# Altium PCB LimeSDR-USB_1v4s.PcbDoc (part 6 of 10)
Units mm, origin at the board's own origin, x right, y up, seen from the top; angles counter-clockwise.
Board outline 100 x 60 mm, 12 copper layers (Top, L2, L3, L4, L5, L6, L7, L8, L9, L10, L11, Bottom), stack 1.58 mm thick; 858 components, 627 nets, 4058 pads, 2110 vias.
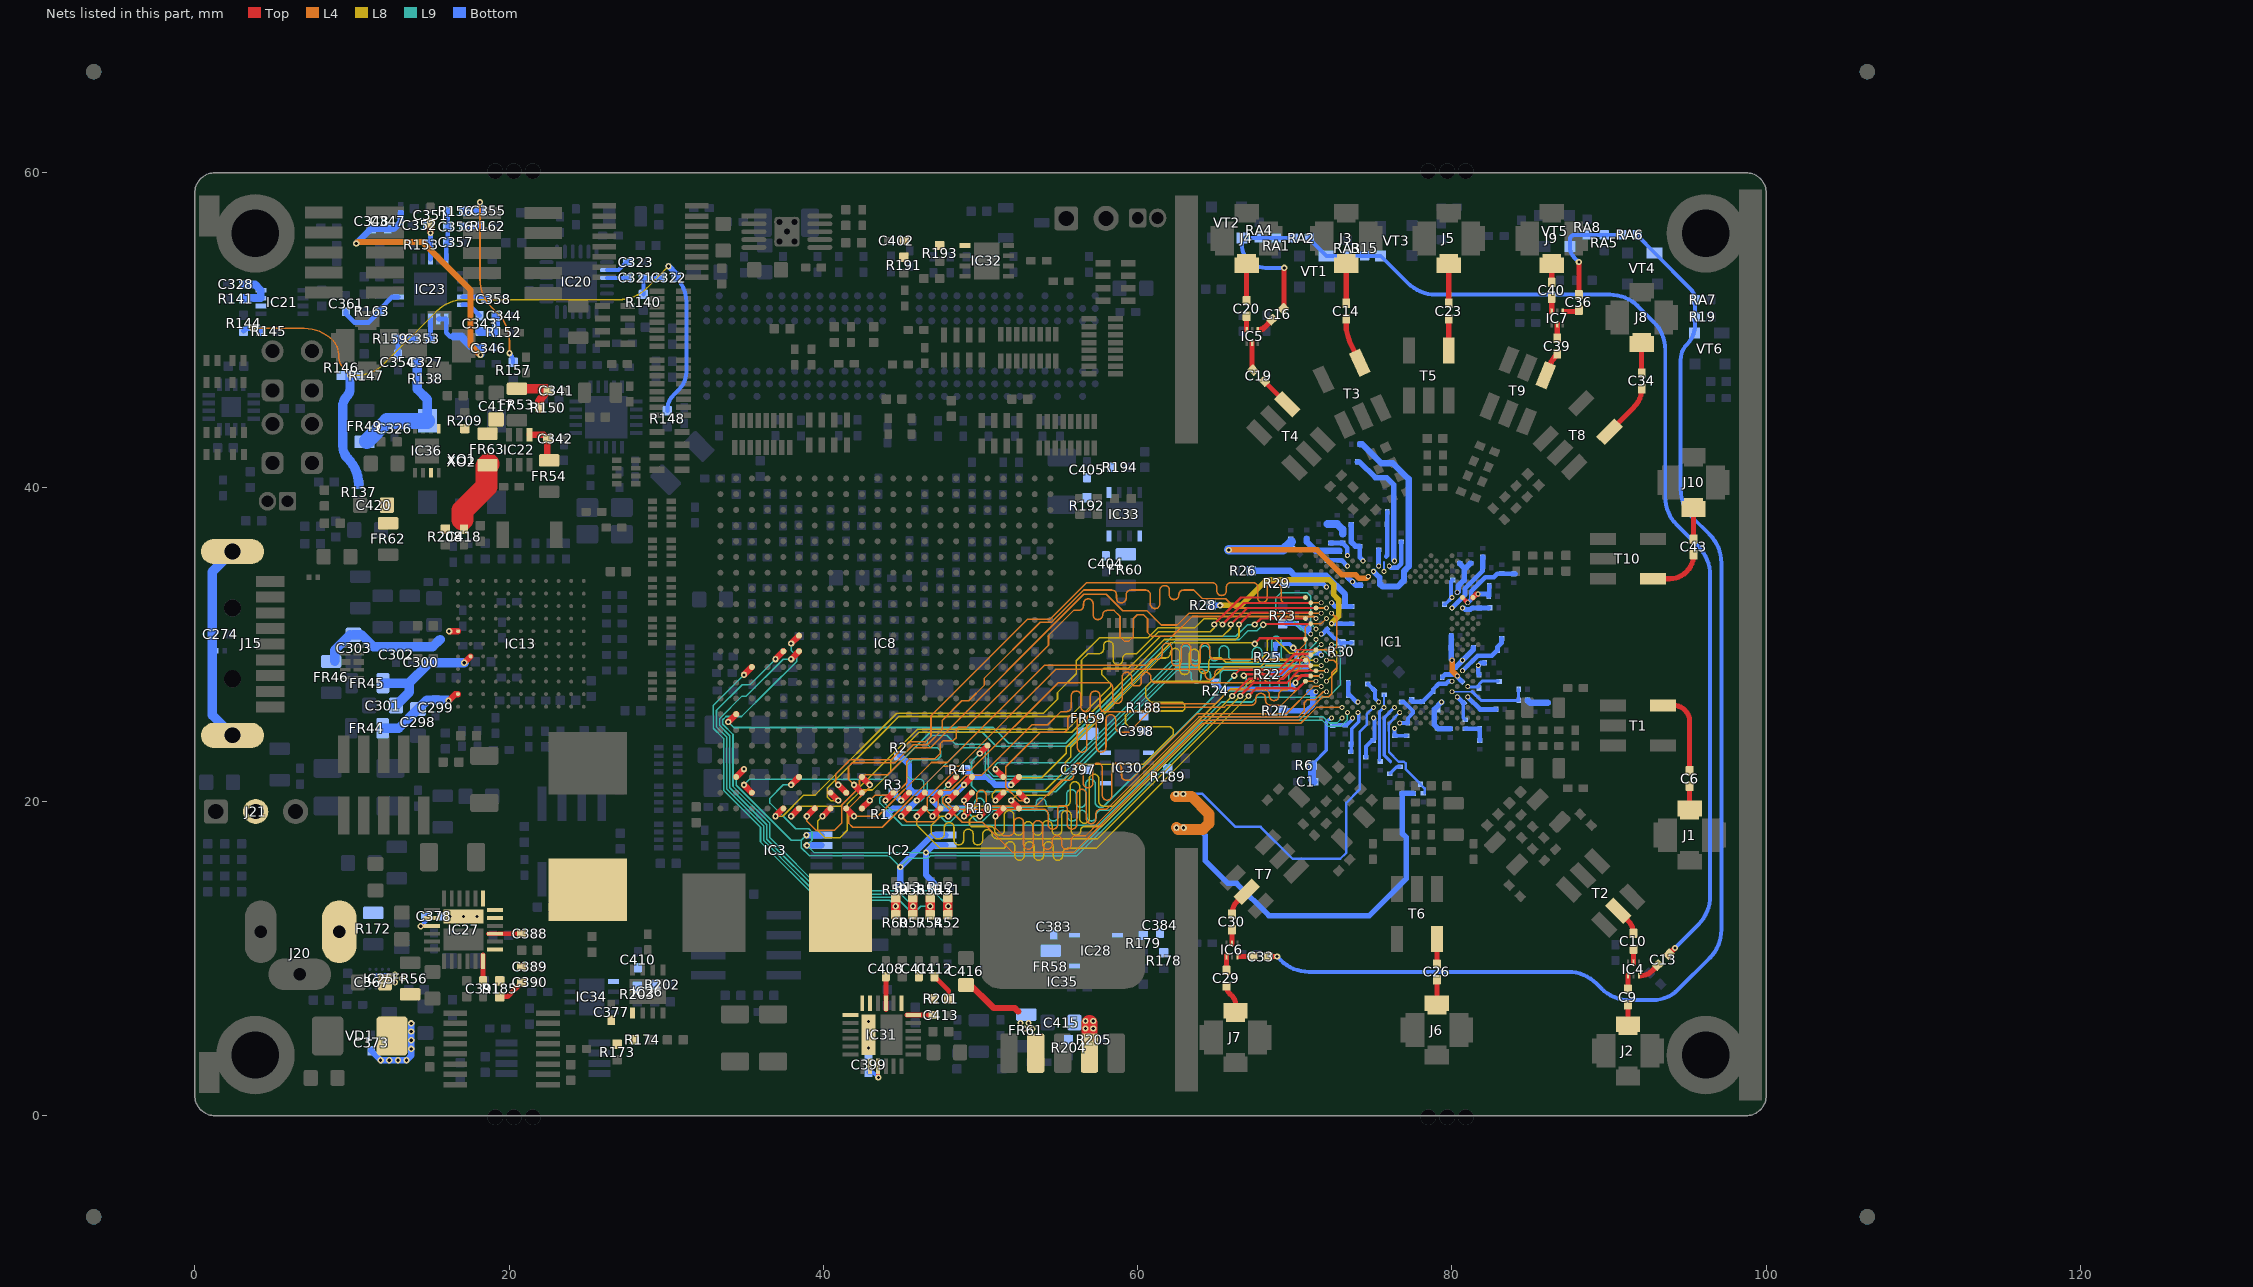
[diagram p16: the nets of this part, all layers, seen from the top]

## Via types
v1: diameter 0.4, hole 0.2, Top to Bottom, tented both sides, 1293 vias
v2: diameter 0.4, hole 0.2, Top to Bottom, tented top, 427 vias
v3: diameter 0.4, hole 0.2, Top to Bottom, 281 vias
v4: diameter 0.31, hole 0.2, Top to Bottom, tented top, 89 vias
v5: diameter 0.5, hole 0.2, Top to Bottom, tented both sides, 20 vias

## Nets (pads, with @x,y where several pads share a name; then routed paths per layer and width w, separated by ;. In a path a pad name is that pad's centre, name@x,y a point inside that pad or via, vN(x,y) a via of type N, cw(c..) or ccw(c..) an arc to the next point about the centre after c; other vN are vias at no path point) (continued)
LMS_DIQ1_D2: IC1.AF34 IC8.B15 | length 41.6
  Top w0.15: v1@64.868,31.268 66.573,32.973 IC1.AF34@70.682,32.973
  Top w0.4: IC8.B15@40.45,20.55 v2(40.95,20.05)
  L8 w0.1: v2(40.95,20.05) 40.475,20.05 40.25,20.275 40.25,20.845 43.55,24.145 44.805,25.4 55.7,25.4 56.425,26.125 56.425,28.992 56.833,29.4 57.525,29.4 ccw(c57.525,29.704) 57.829,29.704 57.829,29.896 cw(c58.133,29.896) 58.133,30.2 cw(c58.133,29.896) 58.437,29.896 58.437,29.4 58.437,29.004 ccw(c58.741,29.004) 58.741,28.7 ccw(c58.741,29.004) 59.045,29.004 59.045,29.096 cw(c59.349,29.096) 59.349,29.4 59.525,29.4 59.925,29.4 61.325,30.8 64.625,30.8 64.875,31.05 v1(64.875,31.261)
LMS_DIQ1_D3: IC1.AE31 IC8.B14 | length 42.3
  Top w0.4: v2(40.95,21.05) IC8.B14@41.45,20.55
  L4 w0.1: v2(40.95,21.05) 40.8,21.2 40.8,21.75 41.7,22.65 44.3,22.65 45.45,23.8 46.5,23.8 46.85,24.15 46.85,25.445 53.005,31.6 54.434,31.6 56.759,33.925 63.95,33.925 64.43,33.925 64.734,33.925 cw(c64.734,33.621) 65.038,33.621 65.038,33.404 ccw(c65.342,33.404) 65.342,33.1 ccw(c65.342,33.404) 65.646,33.404 65.646,33.621 cw(c65.95,33.621) 65.95,33.925 66.725,33.925 67.029,33.925 67.333,33.925 cw(c67.333,33.621) 67.637,33.621 67.637,32.959 ccw(c67.941,32.959) 67.941,32.655 ccw(c67.941,32.959) 68.245,32.959 68.245,33.621 cw(c68.549,33.621) 68.549,33.925 68.853,33.925 69.125,33.653 69.125,32.8 69.285,32.64 v4(71.681,32.64)
LMS_DIQ1_D4: IC1.AD30 IC8.B13 | length 42.4
  Top w0.4: v2(41.95,21.05) IC8.B13@42.45,20.55
  L4 w0.1: v2(41.95,21.05) 41.6,21.4 41.6,22.212 41.838,22.45 44.562,22.45 45.712,23.6 46.608,23.6 47.575,24.567 47.575,25.17 48.805,26.4 49.25,26.4 50.25,27.4 50.25,27.845 53.805,31.4 54.517,31.4 56.567,33.45 58.35,33.45 cw(c58.35,33.146) 58.654,33.146 58.654,32.93 ccw(c58.958,32.93) 58.958,32.626 ccw(c58.958,32.93) 59.262,32.93 59.262,33.146 cw(c59.566,33.146) 59.566,33.45 60.05,33.45 60.5,33.45 cw(c60.5,33.146) 60.804,33.146 60.804,32.572 ccw(c61.108,32.572) 61.108,32.268 ccw(c61.108,32.572) 61.412,32.572 61.412,33.45 cw(c61.687,33.45) 61.687,33.725 61.745,33.725 cw(c61.745,33.45) 62.02,33.45 62.02,33.149 ccw(c62.324,33.149) 62.324,32.845 ccw(c62.324,33.149) 62.628,33.149 cw(c62.929,33.149) 62.929,33.45 63.325,33.45 63.575,33.45 64.125,32.9 65.6,32.9 66.193,32.307 v4(72.014,32.307)
LMS_DIQ1_D5: IC1.AC29 IC8.C13 | length 42.7
  Top w0.4: IC8.C13@42.45,21.55 v2(42.95,21.05)
  L4 w0.1: v2(42.95,21.05) 42.95,20.9 41.6,19.55 41.6,18.625 41.875,18.35 43.745,18.35 47.62,22.225 48.63,22.225 54.822,28.417 64,28.417 cw(c64,28.113) 64.304,28.113 64.304,28.054 ccw(c64.608,28.054) 64.608,27.75 ccw(c64.608,28.054) 64.912,28.054 64.912,28.113 cw(c65.216,28.113) 65.216,28.417 65.75,28.417 69.417,28.417 70.651,29.651 72.482,29.651 72.672,29.842 72.672,31.649 v4(72.347,31.974)
LMS_DIQ1_D6: IC1.AE33 IC8.A18 | length 41.4
  Top w0.15: v1@65.39,31.265 66.748,32.623 70.998,32.623 IC1.AE33@71.015,32.64
  Top w0.4: v2(36.95,19.05) IC8.A18@37.45,19.55
  L8 w0.1: v2(36.95,19.05) 37.408,19.05 38.758,20.4 39.475,20.4 44.675,25.6 54.005,25.6 54.9,26.495 54.9,26.925 56.1,28.125 56.1,28.95 57.55,30.4 60.642,30.4 61.292,31.05 63.65,31.05 64.211,31.611 65.02,31.611 65.375,31.255 v1(65.4,31.255)
LMS_DIQ1_D7: IC1.AD32 IC8.A17 | length 41.1
  Top w0.11: 70.74,32.307 IC1.AD32@71.348,32.307
  Top w0.15: v1(65.925,31.25) 65.925,31.255 66.977,32.307 68.512,32.307 70.74,32.307
  Top w0.4: v2(37.95,19.05) IC8.A17@38.45,19.55
  L8 w0.1: v2(37.95,19.05) 38.6,19.7 41.1,19.7 46,24.6 55.575,24.6 58.275,27.3 58.275,27.5 57.725,28.05 57.725,28.35 57.858,28.483 59.433,28.483 61.45,30.5 65.4,30.5 65.925,31.025 v1(65.925,31.25)
LMS_DIQ1_D8: IC1.AC31 IC8.A16 | length 42.3
  Top w0.4: v2(38.95,19.05) IC8.A16@39.45,19.55
  L4 w0.1: v2(38.95,19.05) 38.95,18.75 39.55,18.15 40.7,18.15 41.175,18.625 41.175,19.77 42.3,20.895 42.3,21.35 42.65,21.7 44.095,21.7 45.795,23.4 46.8,23.4 56.575,33.175 58,33.175 59.05,32.125 60.6,32.125 61.5,31.225 62.525,31.225 63.266,31.966 71.673,31.966 v4(71.681,31.974)
LMS_DIQ1_D9: IC1.AC33 IC8.A15 | length 41.1
  Top w0.15: v1(66.45,31.25) 67.216,32.016 70.973,32.016 IC1.AC33@71.015,31.974
  Top w0.4: v2(39.95,19.05) IC8.A15@40.45,19.55
  L8 w0.1: v2(39.95,19.05) 39.65,18.75 39.65,18.15 40.125,17.675 41.045,17.675 41.525,18.155 41.525,19.825 42.425,20.725 43.12,20.725 44.3,21.905 44.3,22.617 46.083,24.4 55.8,24.4 61.7,30.3 66.25,30.3 66.45,30.5 v1(66.45,31.25)
LMS_DIQ1_D10: IC1.AB30 IC8.A14 | length 42.9
  Top w0.4: IC8.A14@41.45,19.55 v2(41.95,19.05)
  L4 w0.1: v2(41.95,19.05) 43.455,19.05 46.88,22.475 47.88,22.475 54.055,28.65 60.525,28.65 60.925,29.05 61.25,29.05 ccw(c61.25,29.354) 61.554,29.354 61.554,29.762 cw(c61.858,29.762) 61.858,30.066 cw(c61.858,29.762) 62.162,29.762 62.162,29.05 62.162,28.92 ccw(c62.466,28.92) 62.466,28.616 ccw(c62.466,28.92) 62.77,28.92 62.77,29.05 62.77,29.762 cw(c63.074,29.762) 63.074,30.066 cw(c63.074,29.762) 63.378,29.762 63.378,29.05 63.378,28.92 ccw(c63.682,28.92) 63.682,28.616 ccw(c63.682,28.92) 63.986,28.92 63.986,29.05 63.986,29.762 cw(c64.29,29.762) 64.29,30.066 cw(c64.29,29.762) 64.594,29.762 64.594,29.354 ccw(c64.898,29.354) 64.898,29.05 65.15,29.05 65.454,29.05 66.05,29.05 69.677,29.05 70.675,30.048 70.675,31.075 70.916,31.316 71.689,31.316 v4(72.014,31.641)
LMS_DIQ1_D11: IC1.AB32 IC8.A13 | length 42.4
  Top w0.4: IC8.A13@42.45,19.55 v2(42.95,20.05)
  L4 w0.1: v2(42.95,20.05) 43.3,20.4 44.522,20.4 45.3,21.178 45.3,22.525 45.475,22.7 47.095,22.7 47.425,23.03 47.425,23.65 47.625,23.85 48.245,23.85 48.45,24.055 48.45,24.575 48.575,24.7 49.095,24.7 54.325,29.93 54.325,30.55 55.925,32.15 56.25,32.15 ccw(c56.25,32.454) 56.554,32.454 56.554,32.582 cw(c56.858,32.582) 56.858,32.886 cw(c56.858,32.582) 57.162,32.582 57.162,32.15 57.162,31.874 ccw(c57.466,31.874) 57.466,31.57 ccw(c57.466,31.874) 57.77,31.874 57.77,31.846 cw(c58.074,31.846) 58.074,32.15 58.5,32.15 58.875,31.775 58.875,30.475 59.15,30.2 59.45,30.2 59.725,30.475 59.725,31.625 59.975,31.875 60.375,31.875 60.625,31.625 60.625,30.75 60.875,30.5 62.2,30.5 63.466,31.766 71.223,31.766 v4(71.348,31.641)
LMS_DIQ2_D0: IC1.H30 IC8.B7 | length 36.9
  Top w0.4: v2(47.95,20.05) IC8.B7@48.45,20.55
  L4 w0.1: v2(47.95,20.05) 47.95,19.838 48.288,19.5 54,19.5 cw(c54,19.196) 54.304,19.196 54.304,18.534 ccw(c54.608,18.534) 54.608,18.23 ccw(c54.608,18.534) 54.912,18.534 54.912,19.5 cw(c55.146,19.5) 55.146,19.734 55.286,19.734 cw(c55.286,19.5) 55.52,19.5 55.52,18.534 ccw(c55.824,18.534) 55.824,18.23 ccw(c55.824,18.534) 56.128,18.534 56.128,19.5 56.128,20.466 cw(c56.432,20.466) 56.432,20.77 cw(c56.432,20.466) 56.736,20.466 56.736,19.5 56.736,18.886 ccw(c57.04,18.886) 57.04,18.582 ccw(c57.04,18.886) 57.344,18.886 57.344,19.196 cw(c57.648,19.196) 57.648,19.5 57.952,19.5 58.025,19.5 58.075,19.55 63.9,25.375 70.203,25.375 70.6,25.772 70.6,26.275 70.8,26.475 71.303,26.475 71.808,26.979 v4(72.014,26.979)
LMS_DIQ2_D1: IC1.J31 IC8.B6 | length 36.8
  Top w0.4: v2(48.95,20.05) IC8.B6@49.45,20.55
  L4 w0.1: v2(48.95,20.05) 48.95,19.825 49.075,19.7 49.45,19.7 ccw(c49.45,20.004) 49.754,20.004 49.754,20.405 cw(c50.058,20.405) 50.058,20.709 cw(c50.058,20.405) 50.362,20.405 50.362,20.004 ccw(c50.666,20.004) 50.666,19.7 50.97,19.7 51.175,19.7 53.525,19.7 55.175,21.35 55.323,21.35 55.627,21.35 ccw(c55.627,21.654) 55.931,21.654 55.931,22.121 cw(c56.235,22.121) 56.235,22.425 cw(c56.235,22.121) 56.539,22.121 56.539,21.35 56.539,21.162 ccw(c56.843,21.162) 56.843,20.858 ccw(c56.843,21.162) 57.147,21.162 57.147,21.35 57.147,22.121 cw(c57.451,22.121) 57.451,22.425 cw(c57.451,22.121) 57.755,22.121 57.755,21.35 57.755,20.384 ccw(c58.059,20.384) 58.059,20.08 ccw(c58.059,20.384) 58.363,20.384 58.363,21.35 58.363,22.121 cw(c58.667,22.121) 58.667,22.425 cw(c58.667,22.121) 58.971,22.121 58.971,21.654 ccw(c59.275,21.654) 59.275,21.35 59.55,21.35 63.775,25.575 69.45,25.575 71.187,27.312 v4(71.681,27.312)
LMS_DIQ2_D2: IC1.K30 IC8.B4 | length 36.4
  Top w0.4: v2(50.95,20.05) IC8.B4@51.45,20.55
  L8 w0.1: v2(50.95,20.05) 50.75,20.25 50.75,20.475 50.975,20.7 54.125,20.7 55.388,21.963 55.388,22.463 55.75,22.825 55.75,23.45 61.425,29.125 61.775,29.125 ccw(c61.775,29.429) 62.079,29.429 cw(c62.383,29.429) 62.383,29.733 cw(c62.383,29.429) 62.687,29.429 62.687,29.125 62.687,28.375 ccw(c62.991,28.375) 62.991,28.071 ccw(c62.991,28.375) 63.295,28.375 63.295,29.125 63.295,29.375 cw(c63.599,29.375) 63.599,29.679 cw(c63.599,29.375) 63.903,29.375 63.903,29.125 63.903,28.441 ccw(c64.207,28.441) 64.207,28.137 ccw(c64.207,28.441) 64.511,28.441 64.511,28.821 cw(c64.815,28.821) 64.815,29.125 65.325,29.125 65.6,28.85 67.675,28.85 68.25,29.425 68.25,30.25 68.4,30.4 68.694,30.4 69.675,29.419 71.169,29.419 71.401,29.651 71.816,29.651 72.524,29.651 72.676,29.499 72.676,28.304 v4@72.016,27.644
  other v4: 72.014,27.645
LMS_DIQ2_D3: IC1.K32 IC8.B3 | length 36.9
  Top w0.4: IC8.B3@52.45,20.55 v2(52.95,20.05)
  L4 w0.1: v2(52.95,20.05) 52.445,20.05 51.6,20.895 51.6,22.195 52.4,22.995 53.811,24.406 55.25,24.406 ccw(c55.25,24.71) 55.554,24.71 55.554,25.213 cw(c55.858,25.213) 55.858,25.517 cw(c55.858,25.213) 56.162,25.213 56.162,24.406 56.162,23.44 ccw(c56.466,23.44) 56.466,23.136 ccw(c56.466,23.44) 56.77,23.44 56.77,24.406 56.77,25.213 cw(c57.074,25.213) 57.074,25.517 cw(c57.074,25.213) 57.378,25.213 57.378,24.406 57.378,23.44 ccw(c57.682,23.44) 57.682,23.136 ccw(c57.682,23.44) 57.986,23.44 57.986,24.406 57.986,25.213 cw(c58.29,25.213) 58.29,25.517 cw(c58.29,25.213) 58.594,25.213 58.594,24.71 ccw(c58.898,24.71) 58.898,24.406 59.202,24.406 59.436,24.406 59.478,24.447 61.03,26 65.525,26 65.65,26.125 67.225,26.125 ccw(c67.225,26.429) 67.529,26.429 67.529,26.571 cw(c67.833,26.571) 67.833,26.875 cw(c67.833,26.571) 68.137,26.571 68.137,26.429 ccw(c68.441,26.429) 68.441,26.125 68.475,26.125 69.15,26.125 70.67,27.645 v4(71.348,27.645)
LMS_DIQ2_D4: IC1.L31 IC8.A10 | length 37.7
  Top w0.4: v2(44.95,19.05) IC8.A10@45.45,19.55
  L4 w0.1: v2(44.95,19.05) 45.3,18.7 47.095,18.7 47.3,18.905 47.3,20.5 47.5,20.7 48.105,20.7 49.055,21.65 50.055,21.65 53.28,24.875 54.28,24.875 55.122,25.717 55.475,25.717 ccw(c55.475,26.021) 55.779,26.021 55.779,26.721 cw(c56.083,26.721) 56.083,27.025 cw(c56.083,26.721) 56.387,26.721 56.387,26.021 ccw(c56.691,26.021) 56.691,25.717 ccw(c56.691,26.021) 56.995,26.021 56.995,26.721 cw(c57.299,26.721) 57.299,27.025 cw(c57.299,26.721) 57.603,26.721 57.603,26.021 ccw(c57.907,26.021) 57.907,25.717 58.211,25.717 58.65,25.717 60.464,25.717 60.947,26.2 64.95,26.2 65.842,27.092 68.075,27.092 cw(c68.075,26.788) 68.379,26.788 68.379,26.713 ccw(c68.683,26.713) 68.683,26.409 ccw(c68.683,26.713) 68.987,26.713 68.987,26.788 cw(c69.291,26.788) 69.291,27.092 69.35,27.092 69.542,27.092 69.706,27.256 69.706,27.744 69.941,27.978 v4(71.681,27.978)
LMS_DIQ2_D5: IC1.K34 IC8.A9 | length 36.4
  Top w0.15: v1(67.05,26.7) 67.55,27.2 69.87,27.2 69.895,27.175 70.212,27.175 IC1.K34@70.682,27.645
  Top w0.4: v2(45.95,19.05) IC8.A9@46.45,19.55
  L8 w0.1: v2(45.95,19.05) 45.95,18.5 47.442,17.008 51.275,17.008 51.458,17.008 ccw(c51.458,17.13) 51.579,17.13 cw(c51.883,17.13) 51.883,17.434 cw(c51.883,17.13) 52.187,17.13 52.187,17.008 52.187,16.55 ccw(c52.491,16.55) 52.491,16.246 ccw(c52.491,16.55) 52.795,16.55 52.795,17.008 52.795,17.13 cw(c53.099,17.13) 53.099,17.434 cw(c53.099,17.13) 53.403,17.13 53.403,17.008 53.403,16.55 ccw(c53.707,16.55) 53.707,16.246 ccw(c53.707,16.55) 54.011,16.55 54.011,17.008 54.011,17.13 cw(c54.315,17.13) 54.315,17.434 cw(c54.315,17.13) 54.619,17.13 54.619,17.008 54.619,16.55 ccw(c54.923,16.55) 54.923,16.246 ccw(c54.923,16.55) 55.227,16.55 55.227,16.704 cw(c55.531,16.704) 55.531,17.008 56.55,17.008 57.358,17.008 v1(67.05,26.7)
LMS_DIQ2_D6: IC1.M30 IC8.A8 | length 37.3
  Top w0.4: v2(46.95,19.05) IC8.A8@47.45,19.55
  L4 w0.1: v2(46.95,19.05) 46.6,19.4 46.6,20.2 48.375,21.975 49.37,21.975 54.945,27.55 58.1,27.55 cw(c58.1,27.246) 58.404,27.246 58.404,26.546 ccw(c58.708,26.546) 58.708,26.242 ccw(c58.708,26.546) 59.012,26.546 59.012,27.55 59.012,27.913 cw(c59.316,27.913) 59.316,28.217 cw(c59.316,27.913) 59.62,27.913 59.62,27.55 ccw(c59.821,27.55) 59.821,27.349 60.027,27.349 ccw(c60.027,27.55) 60.228,27.55 60.228,27.913 cw(c60.532,27.913) 60.532,28.217 cw(c60.532,27.913) 60.836,27.913 60.836,27.839 ccw(c61.125,27.839) 61.125,27.55 67.15,27.55 ccw(c67.15,27.854) 67.454,27.854 67.454,27.913 cw(c67.758,27.913) 67.758,28.217 cw(c67.758,27.913) 68.062,27.913 68.062,27.854 ccw(c68.366,27.854) 68.366,27.55 68.55,27.55 68.875,27.55 69.636,28.311 70,28.311 ccw(c70,28.615) 70.304,28.615 70.304,28.895 cw(c70.608,28.895) 70.608,29.199 cw(c70.608,28.895) 70.912,28.895 70.912,28.615 ccw(c71.216,28.615) 71.216,28.311 71.4,28.311 v4(72.014,28.311)
LMS_DIQ2_D7: IC1.M32 IC8.A7 | length 36
  Top w0.11: 70.844,28.311 IC1.M32@71.348,28.311
  Top w0.15: v1(66.525,26.7) 66.675,26.85 66.675,26.855 67.37,27.55 69.482,27.55 70.244,28.311 70.844,28.311
  Top w0.4: v2(47.95,19.05) IC8.A7@48.45,19.55
  L8 w0.1: v2(47.95,19.05) 47.45,19.05 46.875,18.475 46.875,17.925 47.167,17.633 47.4,17.633 ccw(c47.4,17.937) 47.704,17.937 47.704,18.345 cw(c48.008,18.345) 48.008,18.649 cw(c48.008,18.345) 48.312,18.345 48.312,17.633 48.312,17.529 ccw(c48.616,17.529) 48.616,17.225 ccw(c48.616,17.529) 48.92,17.529 48.92,17.633 48.92,17.928 cw(c49.224,17.928) 49.224,18.232 cw(c49.224,17.928) 49.528,17.928 49.528,17.633 49.528,17.529 ccw(c49.832,17.529) 49.832,17.225 ccw(c49.832,17.529) 50.136,17.529 50.136,17.633 50.136,17.896 cw(c50.44,17.896) 50.44,18.2 cw(c50.44,17.896) 50.744,17.896 ccw(c51.007,17.896) 51.007,17.633 51.025,17.633 57.458,17.633 v1(66.525,26.7)
LMS_DIQ2_D8: IC1.N31 IC8.A6 | length 36
  Top w0.4: v2(48.95,19.05) IC8.A6@49.45,19.55
  L8 w0.1: v2(48.95,19.05) 48.95,19.425 49.225,19.7 55.4,19.7 ccw(c55.4,20.004) 55.704,20.004 55.704,20.945 cw(c56.008,20.945) 56.008,21.249 cw(c56.008,20.945) 56.312,20.945 56.312,19.7 56.312,18.904 ccw(c56.616,18.904) 56.616,18.6 ccw(c56.616,18.904) 56.92,18.904 56.92,19.7 56.92,21.428 cw(c57.224,21.428) 57.224,21.732 cw(c57.224,21.428) 57.528,21.428 57.528,20.004 ccw(c57.832,20.004) 57.832,19.7 58.05,19.7 58.45,19.7 65.9,27.15 66.678,27.15 67.3,27.772 67.3,27.775 68.169,28.644 v4(71.681,28.644)
LMS_DIQ2_D9: IC1.N33 IC8.A5 | length 36.2
  Top w0.15: v1(66.02,26.7) 66.02,26.725 67.095,27.8 69.273,27.8 70.075,28.602 71.015,28.602 IC1.N33@71.015,28.644
  Top w0.4: v2(49.95,19.05) IC8.A5@50.45,19.55
  L8 w0.1: v2(49.95,19.05) 49.525,19.05 49.3,18.825 49.3,18.5 49.4,18.4 50.6,18.4 50.658,18.4 cw(c50.658,18.154) 50.904,18.154 ccw(c51.208,18.154) 51.208,17.85 ccw(c51.208,18.154) 51.512,18.154 51.512,18.4 51.512,19.112 cw(c51.816,19.112) 51.816,19.416 cw(c51.816,19.112) 52.12,19.112 52.12,18.4 52.12,18.154 ccw(c52.424,18.154) 52.424,17.85 ccw(c52.424,18.154) 52.728,18.154 52.728,18.4 ; 52.728,18.401 cw(c53.032,18.401) 53.032,18.705 cw(c53.032,18.401) 53.336,18.401 ; 53.336,18.4 53.336,18.154 ccw(c53.64,18.154) 53.64,17.85 ccw(c53.64,18.154) 53.944,18.154 53.944,18.4 53.944,18.468 cw(c54.248,18.468) 54.248,18.772 cw(c54.248,18.468) 54.552,18.468 54.552,18.4 54.552,18.154 ccw(c54.856,18.154) 54.856,17.85 ccw(c54.856,18.154) 55.16,18.154 55.16,18.4 55.16,19.112 cw(c55.464,19.112) 55.464,19.416 cw(c55.464,19.112) 55.768,19.112 55.768,18.4 55.768,18.154 ccw(c56.072,18.154) 56.072,17.85 ccw(c56.072,18.154) 56.376,18.154 cw(c56.622,18.154) 56.622,18.4 56.984,18.4 57.025,18.4 57.72,18.4 v1(66.02,26.7)
LMS_DIQ2_D10: IC1.P30 IC8.A4 | length 37.2
  Top w0.4: v2(50.95,19.05) IC8.A4@51.45,19.55
  L4 w0.1: v2(50.95,19.05) 50.95,18.3 51.425,17.825 51.825,17.825 ccw(c51.825,18.129) 52.129,18.129 52.129,18.65 cw(c52.433,18.65) 52.433,18.954 cw(c52.433,18.65) 52.737,18.65 52.737,17.825 52.737,17.254 ccw(c53.041,17.254) 53.041,16.95 ccw(c53.041,17.254) 53.345,17.254 53.345,17.825 53.345,18.469 cw(c53.649,18.469) 53.649,18.773 cw(c53.649,18.469) 53.953,18.469 53.953,17.825 53.953,17.254 ccw(c54.257,17.254) 54.257,16.95 ccw(c54.257,17.254) 54.561,17.254 54.561,17.521 cw(c54.865,17.521) 54.865,17.825 cw(c54.865,17.521) 55.169,17.521 55.169,17.254 ccw(c55.473,17.254) 55.473,16.95 ccw(c55.473,17.254) 55.777,17.254 55.777,17.521 cw(c56.081,17.521) 56.081,17.825 56.275,17.825 56.706,17.825 57.515,18.634 57.515,18.648 64.042,25.175 70.286,25.175 71.765,26.654 72.159,26.654 72.355,26.85 72.355,28.18 72.676,28.501 72.676,28.778 72.477,28.977 v4(72.014,28.977)
LMS_DIQ2_D11: IC1.P32 IC8.A3 | length 35.9
  Top w0.4: v2(51.95,20.05) IC8.A3@52.45,19.55
  L8 w0.1: v2(51.95,20.05) 52.3,20.4 54.35,20.4 56.3,22.35 60.35,22.35 62.275,24.275 62.275,24.55 62.075,24.75 59.45,24.75 59.225,24.975 59.225,25.475 59.5,25.75 62.875,25.75 63,25.875 63,26.15 62.85,26.3 60.85,26.3 60.525,26.625 60.525,27.3 60.875,27.65 64.58,27.65 65.505,28.575 67.817,28.575 68.219,28.977 v4(71.348,28.977)
LMS_ENABLE_IQSEL1: IC1.Y32 IC8.C4 | length 40.9
  Top w0.4: v2(50.95,22.05) IC8.C4@51.45,21.55
  L9 w0.1: v2(50.95,22.05) 50.95,22.325 51.075,22.45 55.692,22.45 62.192,28.95 62.45,28.95 ccw(c62.45,29.254) 62.754,29.254 62.754,29.596 cw(c63.058,29.596) 63.058,29.9 cw(c63.058,29.596) 63.362,29.596 63.362,29.254 ccw(c63.666,29.254) 63.666,28.95 ccw(c63.666,29.254) 63.97,29.254 63.97,29.596 cw(c64.274,29.596) 64.274,29.9 cw(c64.274,29.596) 64.578,29.596 64.578,29.254 ccw(c64.882,29.254) 64.882,28.95 ccw(c64.882,29.254) 65.186,29.254 65.186,29.596 cw(c65.49,29.596) 65.49,29.9 cw(c65.49,29.596) 65.794,29.596 65.794,29.254 ccw(c66.098,29.254) 66.098,28.95 66.402,28.95 66.875,28.95 67,28.95 ccw(c67,29.254) 67.304,29.254 67.304,29.494 cw(c67.608,29.494) 67.608,29.798 cw(c67.608,29.494) 67.912,29.494 67.912,29.254 ccw(c68.216,29.254) 68.216,28.95 ccw(c68.216,29.254) 68.52,29.254 68.52,30.208 cw(c68.824,30.208) 68.824,30.512 cw(c68.824,30.208) 69.128,30.208 69.128,29.254 ccw(c69.432,29.254) 69.432,28.95 69.55,28.95 69.925,28.95 70.7,29.725 70.7,30.7 69.9,31.5 69.1,31.5 68.775,31.825 68.775,32.925 69.125,33.275 70.8,33.275 71.023,33.052 71.023,31.3 v4(71.348,30.975)
LMS_ENABLE_IQSEL2: IC1.R33 IC8.C7 | length 35.7
  Top w0.15: v2@66.15,28.025 66.5,28.375 68.975,28.375 69.952,29.352 70.973,29.352 IC1.R33@71.015,29.31
  Top w0.4: v2(47.95,21.05) IC8.C7@48.45,21.55
  L9 w0.1: v2(47.95,21.05) 47.575,20.675 47.575,19.825 47.775,19.625 49.325,19.625 49.358,19.625 ccw(c49.358,19.896) 49.629,19.896 cw(c49.933,19.896) 49.933,20.2 cw(c49.933,19.896) 50.237,19.896 ccw(c50.508,19.896) 50.508,19.625 50.845,19.625 50.925,19.625 53.25,19.625 53.283,19.625 ccw(c53.283,19.896) 53.554,19.896 cw(c53.858,19.896) 53.858,20.2 cw(c53.858,19.896) 54.162,19.896 ccw(c54.433,19.896) 54.433,19.625 54.77,19.625 55.175,19.625 ccw(c55.175,19.929) 55.479,19.929 55.479,20.445 cw(c55.783,20.445) 55.783,20.749 cw(c55.783,20.445) 56.087,20.445 56.087,19.929 ccw(c56.391,19.929) 56.391,19.625 ccw(c56.391,19.929) 56.695,19.929 56.695,21.099 cw(c56.999,21.099) 56.999,21.403 cw(c56.999,21.099) 57.303,21.099 57.303,19.929 ccw(c57.607,19.929) 57.607,19.625 57.65,19.625 57.775,19.625 v2(66.15,28)
LMS_FCLK1: IC1.AA33 IC8.B20 | length 41.8
  Top w0.15: v2@67.991,31.291 71.015,31.291 IC1.AA33@71.015,31.308
  Top w0.4: v2(34.95,21.05) IC8.B20@35.45,20.55
  L9 w0.1: v2(34.95,21.05) 35.3,21.4 43.805,21.4 46.805,24.4 49.25,24.4 50.105,24.4 51.005,23.5 55.675,23.5 62.475,30.3 66.475,30.3 67.025,30.85 67.6,30.85 v2(67.991,31.241)
LMS_FCLK2: IC1.R29 IC8.E5 | length 36.3
  Top w0.4: v2(49.95,23.05) IC8.E5@50.45,23.55
  L9 w0.1: v2(49.95,23.05) 49.425,22.525 49.425,21 49.808,20.617 54.784,20.617 62.442,28.275 62.517,28.35 62.814,28.35 63.118,28.35 cw(c63.118,28.046) 63.422,28.046 63.422,27.83 ccw(c63.726,27.83) 63.726,27.526 ccw(c63.726,27.83) 64.03,27.83 64.03,28.046 cw(c64.334,28.046) 64.334,28.35 cw(c64.334,28.046) 64.638,28.046 64.638,27.788 ccw(c64.942,27.788) 64.942,27.484 ccw(c64.942,27.788) 65.246,27.788 65.246,28.046 cw(c65.55,28.046) 65.55,28.35 67.025,28.35 67.493,28.35 cw(c67.493,28.046) 67.797,28.046 67.797,27.384 ccw(c68.101,27.384) 68.101,27.08 ccw(c68.101,27.384) 68.405,27.384 68.405,28.046 cw(c68.709,28.046) 68.709,28.35 cw(c68.709,28.046) 69.013,28.046 69.013,27.384 ccw(c69.317,27.384) 69.317,27.08 ccw(c69.317,27.384) 69.621,27.384 69.621,28.046 cw(c69.925,28.046) 69.925,28.35 70.261,28.35 71.546,29.635 71.815,29.635 72.14,29.31 v4(72.347,29.31)
LMS_I2C_SCL: IC1.C27 IC2.6 IC3.6 IC8.C17 R12.2 | length 50
  Top w0.4: v2(37.95,21.05) IC8.C17@38.45,21.55
  L9 w0.1: v2(37.95,21.05) 37.455,21.05 36.6,20.195 36.6,19.895 38.245,18.25 39.075,18.25 39.275,18.05 39.275,17.525 v1(38.95,17.2) 39.407,16.743 v1(46.525,16.743) 56.059,16.743 64.691,25.375 71.814,25.375 72.2,24.989 72.688,24.989 v4(73.013,25.314)
  Bottom w0.4: v1(38.95,17.2) IC3.6@39.875,17.2 ; R12.2@47,14.525 47,14.85 46.525,15.325 v1(46.525,16.743) 46.982,17.2 IC2.6@47.775,17.2
LMS_I2C_SDA: IC1.D26 IC2.5 IC3.5 IC8.C21 R13.2 | length 54.3
  Top w0.4: IC8.C21@34.45,21.55 v1(34.95,22.05)
  L9 w0.1: v1(34.95,22.05) 34.45,21.55 34.45,21.033 37.958,17.525 38.6,17.525 ; v1(38.925,17.85) 38.6,17.525 ; v4(73.346,25.647) 73.338,25.639 73.338,25.18 72.948,24.789 72.117,24.789 71.731,25.175 64.775,25.175 56.143,16.543 46.82,16.543 46.652,16.375 45.45,16.375 v1(44.9,15.825) 44.182,16.543 39.112,16.543 38.6,17.055 38.6,17.525